# Altium PCB MODULE_CONTROL_V1.0.PcbDoc (part 2 of 2)
Units mm, origin at the board's own origin, x right, y up, seen from the top; angles counter-clockwise.
Board outline 87.3 x 95.5 mm, 4 copper layers (Top Layer, Int1 (GND), Int2 (PWR), Bottom Layer), stack 1.369 mm thick; 182 components, 136 nets, 622 pads, 199 vias.
Unrouted connection lines stored in the file: 5.
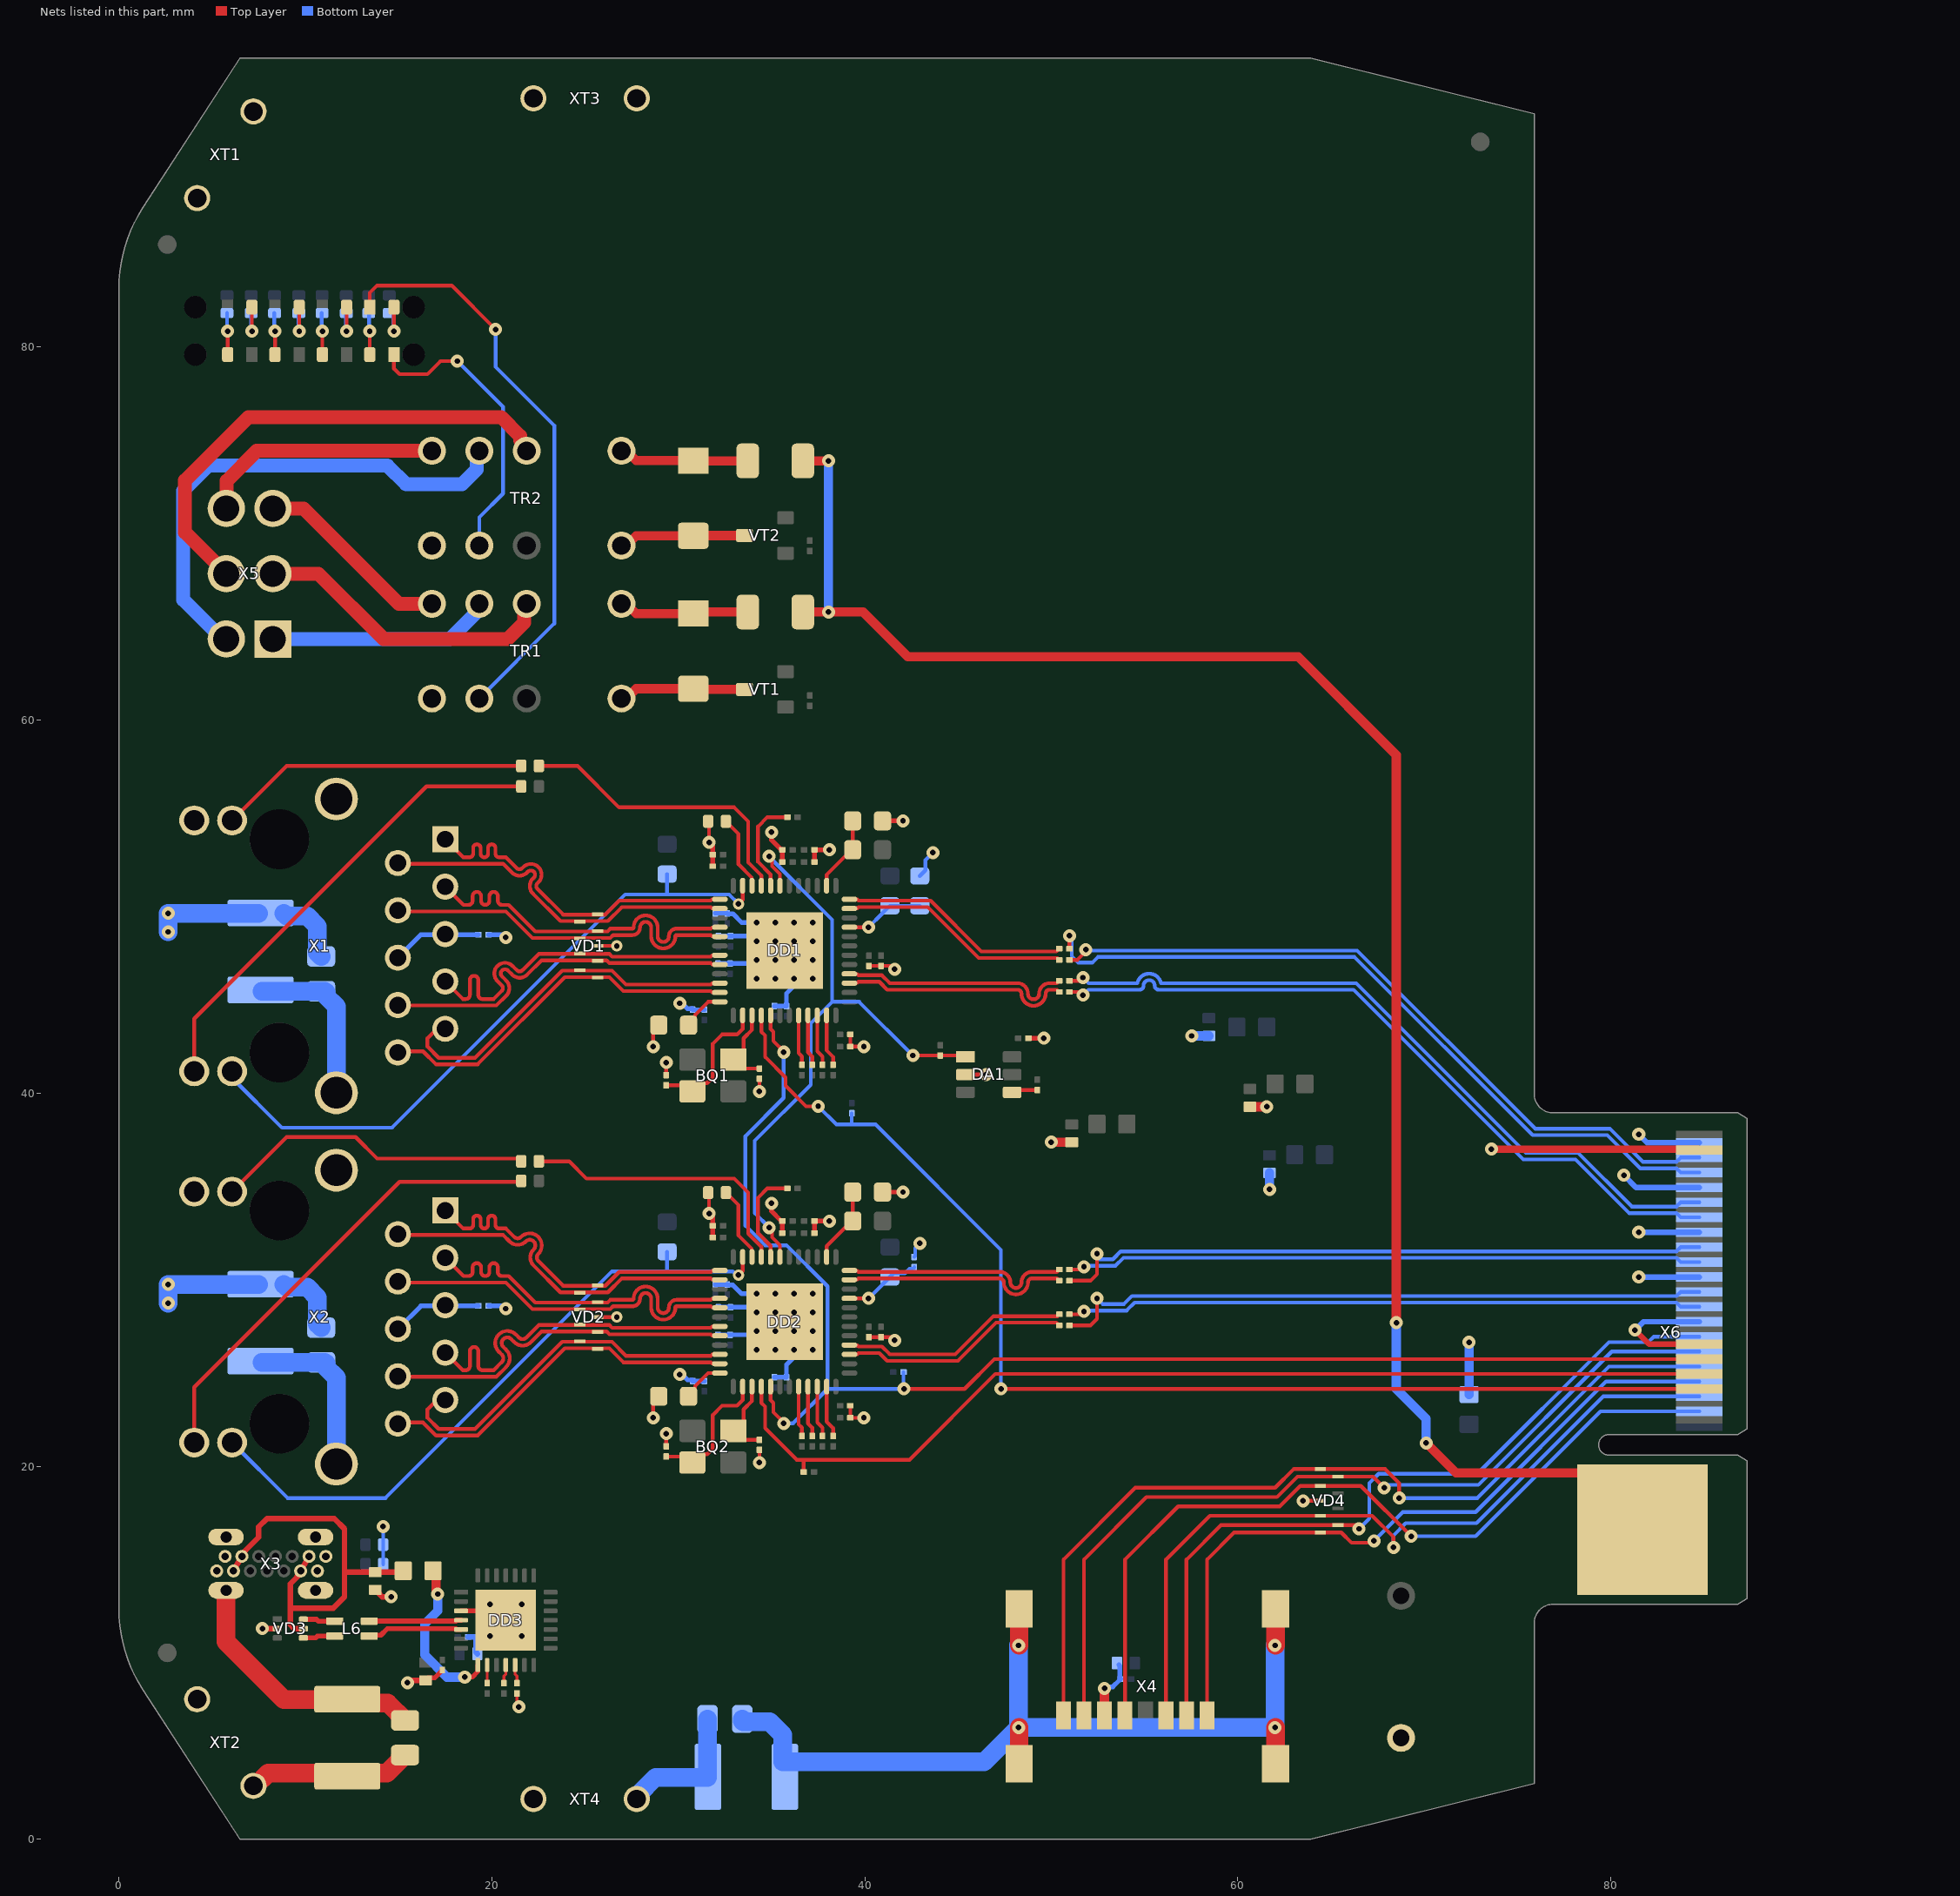
[diagram p4: the nets of this part, all layers, seen from the top]

## Via types
v1: diameter 0.7, hole 0.3, Top Layer to Bottom Layer, tented both sides, 152 vias
v2: diameter 0.6, hole 0.3, Top Layer to Bottom Layer, tented bottom, 32 vias
v3: diameter 0.6, hole 0.3, Top Layer to Bottom Layer, tented both sides, 11 vias
v4: diameter 0.7, hole 0.3, Top Layer to Bottom Layer, tented bottom, 4 vias

## Nets (pads, with @x,y where several pads share a name; then routed paths per layer and width w, separated by ;. In a path a pad name is that pad's centre, name@x,y a point inside that pad or via, vN(x,y) a via of type N, cw(c..) or ccw(c..) an arc to the next point about the centre after c; other vN are vias at no path point) (continued)
GND: C1.2 C10.1 C11.1 C12.1 C13.1 C14.1 C15.1 C16.1 C17.1 C18.2 C19.2 C20.2 C21.2 C22.2 C23.2 C24.2 C25.2 C26.2 C27.2 C28.2 C29.2 C30.2 C31.2 C32.2 C33.2 C34.2 C35.2 C36.2 C37.2 C38.2 C39.2 C40.2 C41.2 C42.2 C43.2 C44.2 C45.2 C46.2 C47.2 C48.2 C49.2 C50.2 C51.2 C52.2 C53.2 C54.2 C55.2 C56.2 C57.2 C58.1 C59.1 C62.1 C63.2 C65.1 C66.1 C67.2 C69.1 C70.2 DA1.2 DD1.EP DD2.EP DD3.3 DD3.EP R1.2 R2.2 R17.1 R18.2 R20.2 R21.2 R26.2 R27.2 R36.2 R37.2 R40.2 SW1.1 TR1.8 TR2.8 VD1.3 VD2.3 VD3.2 VD4.3 X1.12 X2.12 X3.A1 X3.A12 X3.B1 X3.B12 X4.6 X6.11 X6.16 X6.22 X6.28 X6.34 X6.40 | length 93.7
  Top Layer w0.15: v1@21.35,7.25 R40.2@21.35,7.825
  Top Layer w0.2: VD2.3@25.675,28 v3(26.7,28) ; VD1.3@25.675,47.9 v3(26.7,47.9) ; v1(28.65,22.6) 28.65,23.45 R21.2@28.95,23.75 ; v1(28.65,42.5) 28.65,43.35 R20.2@28.95,43.65 ; C13.1@29.35,21.075 v1(29.35,21.75) ; C11.1@29.35,40.975 v1(29.35,41.65) ; v1(31.65,33.55) R27.2@31.65,34.625 ; v1(31.65,53.45) R26.2@31.65,54.525 ; v1(34.35,20.2) C12.1@34.35,20.875 ; v1(34.35,40.1) C10.1@34.35,40.775 ; C49.2@39.225,23.25 C41.2@39.225,22.6 v1(39.95,22.6) ; C45.2@39.225,43.15 C37.2@39.225,42.5 v1(39.95,42.5) ; C46.2@40.22,26.925 C38.2@40.87,26.925 41.425,26.925 v1(41.6,26.75) ; C42.2@40.22,46.825 41.425,46.825 v1(41.6,46.65) ; v1(63.5,18.15) VD4.3@64.425,18.15
  Top Layer w0.25: C62.1@16.45,8.525 16.584,8.659 16.934,8.659 17.3,9.025 17.325,9.025 17.35,9.05 C63.2@17.35,9.075 ; DD3.3@18.35,12.25 DD3.EP@20.25,12.25 ; C48.2@31.85,32.27 C40.2@31.85,32.895 v1@31.85,33.55 ; C44.2@31.85,52.17 C36.2@31.85,52.795 v1@31.85,53.45 ; v1@35,34.05 35,33.675 35.5,33.175 35.55,33.175 C53.2@35.575,33.15 C57.2@35.575,32.5 ; v1@35,53.95 35,53.575 35.5,53.075 35.55,53.075 C51.2@35.575,53.05 C55.2@35.575,52.4 ; C56.2@37.3,32.5 C52.2@37.3,33.15 v1(38.1,33.15) ; C54.2@37.3,52.4 C50.2@37.3,53.05 v1@38.1,53.05 ; R2.2@40.95,34.7 v1(42.05,34.7) ; R1.2@40.95,54.6 v1(42.05,54.6) ; DA1.2@45.4,41 v1(46.5,41) ; C1.2@48.775,42.95 v1(49.6,42.95)
  Top Layer w0.3: v1(7.7,11.3) VD3.2@8.5,11.3 ; C66.1@13.75,13.375 13.82,13.375 13.945,13.25 13.945,13.18 14.125,13 v1(14.6,13) ; v1@15.475,8.525 C62.1@16.45,8.525 ; v1(81.3,27.3) 82.05,26.55 X6.11@84.75,26.55
  Top Layer w0.5: v1(50,37.375) C16.1@51.1,37.375 ; X4.6@52.85,6.65 v1(52.85,8.1) ; C15.1@60.65,39.275 v1(61.55,39.275)
  Bottom Layer w0.2: R37.2@14.175,14.75 R36.2@14.175,15.8 v1(14.175,16.775) ; R18.2@42.65,31.225 42.7,31.275 42.7,31.7 v1@42.95,31.95 ; R17.1@42.95,51.65 43.25,51.95 43.25,52.5 v1(43.65,52.9)
  Bottom Layer w0.25: C59.1@19.825,28.6 20.6,28.6 v1(20.75,28.45) ; C58.1@19.825,48.5 20.6,48.5 v1(20.75,48.35) ; v1@30.25,25 30.25,24.875 30.5,24.625 30.745,24.625 30.77,24.6 C24.2@30.77,24.575 C32.2@31.395,24.575 ; v1@30.25,44.9 30.25,44.775 30.5,44.525 30.745,44.525 30.77,44.5 C20.2@30.77,44.475 C28.2@31.395,44.475 ; C31.2@31.975,29.75 C23.2@32.625,29.75 32.625,29.744 32.65,29.719 32.931,29.719 33.4,29.25 v2(34.2,29.25) ; C27.2@31.975,49.65 C19.2@32.625,49.65 32.625,49.644 32.65,49.619 32.931,49.619 33.4,49.15 v2(34.2,49.15) ; C47.2@32.125,27.05 33.905,27.05 34.105,27.25 v2(34.2,27.25) ; C43.2@32.125,46.95 C35.2@32.775,46.95 33.905,46.95 34.105,47.15 v2(34.2,47.15) ; C33.2@32.15,28.525 C25.2@32.8,28.525 33.879,28.525 34.154,28.25 v2(34.2,28.25) ; C29.2@32.15,48.425 C21.2@32.8,48.425 33.879,48.425 34.154,48.15 v2(34.2,48.15) ; C22.2@35.15,24.775 C30.2@35.8,24.775 35.8,25.45 36.173,25.823 36.173,26.223 v2(36.2,26.25) ; C18.2@35.15,44.675 C26.2@35.8,44.675 35.8,45.35 36.173,45.723 36.173,46.123 v2(36.2,46.15) ; v1@52.925,8.175 53.3,8.175 53.675,8.55 53.675,8.575 C70.2@53.7,8.6 ; C69.1@53.622,9.353 53.675,9.3 53.675,8.625 C70.2@53.7,8.6 ; C70.2@53.725,8.6 C70.2@53.7,8.6
  Bottom Layer w0.3: C67.2@18.725,10.85 19.15,10.85 ; C65.1@19.225,9.95 19.15,10.025 19.15,10.85 ; v4@19.85,10.85 19.15,10.85 ; v1(80.7,35.6) 81.35,34.95 X6.34@84.75,34.95 ; v1(81.3,27.3) 81.75,27.75 X6.16@84.75,27.75 ; v1(81.5,30.15) X6.22@84.75,30.15 ; v1(81.5,32.55) X6.28@84.75,32.55 ; v1(81.5,37.8) 81.95,37.35 X6.40@84.75,37.35
  Bottom Layer w0.5: v1(57.525,43.075) C14.1@58.45,43.075 ; v1(61.7,34.85) C17.1@61.7,35.725
  other v1: 21.45,7.1 15.475,8.4 30.075,24.925 42.95,31.959 35,34.1 30.075,44.825 38.1,53.05 35,54
  other v2: 34.2,26.25 35.2,26.25 37.2,26.25 35.2,27.25 36.2,27.25 37.2,27.25 35.2,28.25 36.2,28.25 37.2,28.25 35.2,29.25 36.2,29.25 37.2,29.25 34.2,46.15 35.2,46.15 37.2,46.15 35.2,47.15 36.2,47.15 37.2,47.15 35.2,48.15 36.2,48.15 37.2,48.15 35.2,49.15 36.2,49.15 37.2,49.15
  other v4: 19.9,10.9 21.6,10.9 19.9,12.6 21.6,12.6
LED_RELE1: HL7.C TR1.9 | length 31.4
  Top Layer w0.2: HL7.C@13.455,82.14 13.455,82.905 13.85,83.3 17.85,83.3 v1(20.2,80.95)
  Bottom Layer w0.2: TR1.9@19.33,61.16 23.35,65.18 23.35,75.8 20.2,78.95 v1(20.2,80.95)
LED_RELE2: HL8.C TR2.9 | length 16
  Top Layer w0.2: HL8.C@14.755,79.6 14.755,78.845 15.05,78.55 16.55,78.55 17.25,79.25 v1(18.15,79.25)
  Bottom Layer w0.2: v1(18.15,79.25) 20.6,76.8 20.6,72.15 19.33,70.88 TR2.9@19.33,69.36
MDC_SGMII0: DD1.16 R23.2 X6.5 | length 65
  Top Layer w0.2: DD1.16@34.45,44.175 34.45,43.3 34.65,43.1 34.65,41.95 35.75,40.85 35.75,40.4 36.85,39.3 v1(37.5,39.3) ; v1(47.3,24.15) X6.5@84.75,24.15
  Bottom Layer w0.2: v1(37.5,39.3) 38.475,38.325 40.575,38.325 47.3,31.6 v1(47.3,24.15) ; 39.3,38.325 R23.2@39.3,38.925
MDC_SGMII1: DD2.16 R24.2 X6.7 | length 55.6
  Top Layer w0.2: DD2.16@34.45,24.275 34.45,23.4 34.65,23.2 34.65,22.05 36.35,20.35 42.4,20.35 47,24.95 X6.7@84.75,24.95 ; R24.2@36.725,19.7 36.725,20.325
MDIO_SGMII: DD1.17 DD2.17 R25.2 X6.9 | length 77.3
  Top Layer w0.2: DD2.17@34.95,24.275 34.95,23.55 35.1,23.4 35.1,22.9 v1@35.675,22.325 ; DD1.17@34.95,44.175 34.95,43.45 35.1,43.3 35.1,42.8 v1@35.675,42.225 ; v1(42.1,24.15) 45.35,24.15 46.95,25.75 X6.9@84.75,25.75
  Bottom Layer w0.2: v1(35.65,22.3) 35.66,22.31 36.16,22.31 38,24.15 ; v1(35.65,42.2) 35.65,39.75 33.6,37.7 33.6,32.9 34.65,31.85 35.8,31.85 38,29.65 38,24.15 ; v1@42.075,24.175 R25.2@42.075,25.05 ; v1(42.1,24.15) 38,24.15
MMC_CLK: VD4.2 X4.5 X6.4 | length 44.7
  Top Layer w0.2: X4.5@53.95,6.65 53.95,15 56.8,17.85 62.25,17.85 63.35,18.95 VD4.2@64.425,18.95 66.6,18.95 v1(69.3,16.25)
  Bottom Layer w0.2: v1(69.3,16.25) 72.75,16.25 79.45,22.95 X6.4@84.75,22.95
MMC_CMD: VD4.4 X4.3 X6.6 | length 42.7
  Top Layer w0.2: X4.3@56.15,6.65 56.15,15 58.5,17.35 VD4.4@64.425,17.35 67.2,17.35 68.35,16.2 v1(68.35,15.65)
  Bottom Layer w0.2: v1(68.35,15.65) 68.35,16.3 69,16.95 72.8,16.95 79.6,23.75 X6.6@84.75,23.75
MMC_DAT0: VD4.9 X4.7 X6.12 | length 46.5
  Top Layer w0.2: X4.7@51.75,6.65 51.75,15 55.1,18.35 62.1,18.35 63.2,19.45 VD4.9@65.375,19.45 67.25,19.45 v1(67.85,18.85)
  Bottom Layer w0.2: v1(67.85,18.85) 68,19 72.9,19 80.05,26.15 X6.12@84.75,26.15
MMC_DAT1: VD4.1 X4.8 X6.10 | length 48.5
  Top Layer w0.2: X4.8@50.65,6.65 50.65,15 54.5,18.85 62,18.85 63,19.85 VD4.1@64.425,19.85 67.9,19.85 68.65,19.1 v1(68.65,18.3)
  Bottom Layer w0.2: v1(68.65,18.3) 72.85,18.3 79.9,25.35 X6.10@84.75,25.35
MMC_DAT2: VD4.5 X4.1 X6.8 | length 39
  Top Layer w0.2: X4.1@58.35,6.65 58.35,15 59.8,16.45 VD4.5@64.425,16.45 65.55,16.45 66.1,15.9 v1@67.15,15.9
  Bottom Layer w0.2: v1(67.3,16) 68.85,17.55 72.75,17.55 79.75,24.55 X6.8@84.75,24.55
MMC_DAT3: VD4.6 X4.2 X6.14 | length 42.1
  Top Layer w0.2: X4.2@57.25,6.65 57.25,15 59.1,16.85 VD4.6@65.375,16.85 66.3,16.85 v1(66.5,16.65)
  Bottom Layer w0.2: v1(66.5,16.65) 67.05,17.2 67.05,19.1 67.55,19.6 72.85,19.6 79.9,26.65 82,26.65 82.3,26.95 X6.14@84.75,26.95
NetBQ1_1: BQ1.1 C10.2 DD1.15 | length 3.8
  Top Layer w0.2: BQ1.1@32.95,41.8 33.15,41.8 33.5,42.15 33.5,42.95 33.95,43.4 DD1.15@33.95,44.175 ; BQ1.1@33.425,41.325 C10.2@34.35,41.325
NetBQ1_3: BQ1.3 C11.2 DD1.14 | length 6.9
  Top Layer w0.2: C11.2@29.35,40.425 BQ1.3@30.425,40.425 ; BQ1.3@30.75,40.1 31.193,40.543 31.543,40.543 31.85,40.85 31.85,42.65 32.35,43.15 33.15,43.15 33.45,43.45 DD1.14@33.45,44.175
NetBQ2_1: BQ2.1 C12.2 DD2.15 | length 3.8
  Top Layer w0.2: BQ2.1@32.95,21.9 33.15,21.9 33.5,22.25 33.5,23.05 33.95,23.5 DD2.15@33.95,24.275 ; BQ2.1@33.425,21.425 C12.2@34.35,21.425
NetBQ2_3: BQ2.3 C13.2 DD2.14 | length 6.9
  Top Layer w0.2: C13.2@29.35,20.525 BQ2.3@30.425,20.525 ; BQ2.3@30.75,20.2 31.193,20.643 31.543,20.643 31.85,20.95 31.85,22.75 32.35,23.25 33.15,23.25 33.45,23.55 DD2.14@33.45,24.275
NetC58_2: C58.2 X1.5 X1.6 | length 4.8
  Bottom Layer w0.25: X1.6@14.963,47.265 16.197,48.5 C58.2@19.275,48.5
NetC59_2: C59.2 X2.5 X2.6 | length 4.8
  Bottom Layer w0.25: X2.6@14.963,27.365 16.197,28.6 C59.2@19.275,28.6
NetC60_1: C60.1 R34.1 X1.SH | length 9.1
  Bottom Layer w1: C60.1@7.67,45.47 R34.1@10.85,45.47 11.05,45.47 11.1,45.42 11.1,45.22 11.663,44.657 X1.SH@11.663,40.025
NetC61_1: C61.1 R35.1 X2.SH | length 9.1
  Bottom Layer w1: C61.1@7.67,25.57 R35.1@10.85,25.57 11.05,25.57 11.1,25.52 11.1,25.32 11.663,24.757 X2.SH@11.663,20.125
NetC64_1: C64.1 R38.1 X3.SH | length 13.9
  Top Layer w1: X3.SH@5.75,13.18 5.75,10.6 8.85,7.5 12.9,7.5 13.1,7.3 14.43,7.3 R38.1@15.35,6.38
NetC68_1: C68.1 R42.1 X4.0 | length 47.8
  Top Layer w1: X4.0@48.275,4.05 v1@48.275,6 ; v1@48.275,10.4 X4.0@48.275,12.35 ; X4.0@62.025,4.05 v1@62.025,6 ; v1@62.025,10.4 X4.0@62.025,12.35
  Bottom Layer w1: R42.1@33.43,6.45 33.43,6.35 33.48,6.3 34.9,6.3 35.6,5.6 35.6,4.15 46.4,4.15 v1(48.25,6) ; v1(48.25,10.4) v1(48.25,6) ; v1(62,10.4) v1(62,6) v1(48.25,6)
NetDA1_4: DA1.4 R6.2 | length 1.2
  Top Layer w0.2: DA1.4@48.025,40.175 R6.2@49.25,40.175
NetDD1_12: DD1.12 R20.1 | length 2.3
  Top Layer w0.2: R20.1@30.55,43.65 30.9,44 30.9,44.2 31.6,44.9 DD1.12@32.225,44.9
NetDD1_20: DD1.20 R7.1 | length 2.7
  Top Layer w0.2: DD1.20@36.45,44.175 36.45,42.15 36.63,41.97 R7.1@36.63,41.525
NetDD1_21: DD1.21 R9.1 | length 2.7
  Top Layer w0.2: DD1.21@36.95,44.175 36.95,42.2 37.18,41.97 R9.1@37.18,41.525
NetDD1_22: DD1.22 R11.1 | length 2.8
  Top Layer w0.2: DD1.22@37.45,44.175 37.45,42.25 37.73,41.97 R11.1@37.73,41.525
NetDD1_23: DD1.23 R15.1 | length 2.8
  Top Layer w0.2: DD1.23@37.95,44.175 37.95,42.3 38.3,41.95 R15.1@38.3,41.525
NetDD1_33: DD1.33 R13.2 R17.2 | length 4.3
  Top Layer w0.2: DD1.33@39.175,48.9 v1(40.2,48.9)
  Bottom Layer w0.2: v1(40.2,48.9) 40.94,49.64 40.94,49.645 41.345,50.05 R13.2@41.35,50.05 R17.2@42.95,50.05
NetDD1_38: DD1.38 R1.1 R3.1 | length 4.1
  Top Layer w0.2: DD1.38@37.95,51.125 37.95,51.7 39.35,53.1 R1.1@39.35,54.6
NetDD1_44: DD1.44 R19.2 | length 5.2
  Top Layer w0.2: DD1.44@34.95,51.125 34.95,51.725 34.275,52.4 34.275,54.3 34.775,54.8 R19.2@35.85,54.8
NetDD1_46: DD1.46 R26.1 | length 4
  Top Layer w0.2: R26.1@32.55,54.575 33.225,53.9 33.225,52.275 33.935,51.565 33.935,51.14 DD1.46@33.95,51.125
NetDD2_12: DD2.12 R21.1 | length 2.3
  Top Layer w0.2: R21.1@30.55,23.75 30.9,24.1 30.9,24.3 31.6,25 DD2.12@32.225,25
NetDD2_20: DD2.20 R8.2 | length 2.7
  Top Layer w0.2: DD2.20@36.45,24.275 36.45,22.25 36.63,22.07 R8.2@36.63,21.625
NetDD2_21: DD2.21 R10.2 | length 2.7
  Top Layer w0.2: DD2.21@36.95,24.275 36.95,22.3 37.18,22.07 R10.2@37.18,21.625
NetDD2_22: DD2.22 R12.2 | length 2.8
  Top Layer w0.2: DD2.22@37.45,24.275 37.45,22.35 37.73,22.07 R12.2@37.73,21.625
NetDD2_23: DD2.23 R16.2 | length 2.8
  Top Layer w0.2: DD2.23@37.95,24.275 37.95,22.4 38.3,22.05 R16.2@38.3,21.625
NetDD2_33: DD2.33 R14.2 R18.1 | length 4.2
  Top Layer w0.2: DD2.33@39.175,29 v1(40.2,29)
  Bottom Layer w0.2: v1(40.2,29) 40.94,29.74 40.94,29.745 41.545,30.35 42.15,30.35 42.4,30.6 42.6,30.6 42.65,30.65 R18.1@42.65,30.675
NetDD2_38: DD2.38 R2.1 R4.1 | length 4.1
  Top Layer w0.2: DD2.38@37.95,31.225 37.95,31.8 39.35,33.2 R2.1@39.35,34.7
NetDD2_44: DD2.44 R22.1 | length 5.2
  Top Layer w0.2: DD2.44@34.95,31.225 34.95,31.825 34.275,32.5 34.275,34.4 34.775,34.9 R22.1@35.85,34.9
NetDD2_46: DD2.46 R27.1 | length 4
  Top Layer w0.2: R27.1@32.55,34.675 33.225,34 33.225,32.375 33.935,31.665 33.935,31.24 DD2.46@33.95,31.225
NetDD3_9: DD3.9 R39.1 | length 1
  Top Layer w0.15: R39.1@19.75,8.375 DD3.9@19.75,9.35
NetDD3_11: DD3.11 R41.1 | length 1
  Top Layer w0.15: R41.1@20.65,8.375 20.65,8.75 20.75,8.85 DD3.11@20.75,9.35
NetDD3_12: DD3.12 R40.1 | length 1
  Top Layer w0.15: DD3.12@21.25,9.35 21.25,8.85 21.35,8.75 R40.1@21.35,8.375
NetHL1_A: HL1.A R47.2 | length 2.2
  Top Layer w0.2: v1(7.135,80.85) HL1.A@7.135,82.14
  Bottom Layer w0.2: v1@7.1,80.885 R47.2@7.1,81.825
NetHL2_A: HL2.A R48.2 | length 2
  Top Layer w0.2: HL2.A@5.835,79.6 v1@5.835,80.695
  Bottom Layer w0.2: v1@5.8,80.885 R48.2@5.8,81.825
  other v1: 5.835,80.85
NetHL3_A: HL3.A R49.2 | length 2.2
  Top Layer w0.2: v1(9.675,80.85) HL3.A@9.675,82.14
  Bottom Layer w0.2: v1@9.64,80.885 R49.2@9.64,81.825
NetHL4_A: HL4.A R50.2 | length 2
  Top Layer w0.2: HL4.A@8.375,79.6 v1@8.375,80.695
  Bottom Layer w0.2: v1@8.34,80.885 R50.2@8.34,81.825
  other v1: 8.375,80.85
NetHL5_A: HL5.A R51.2 | length 2.2
  Top Layer w0.2: v1(12.215,80.85) HL5.A@12.215,82.14
  Bottom Layer w0.2: v1@12.18,80.885 R51.2@12.18,81.825
NetHL6_A: HL6.A R52.2 | length 2
  Top Layer w0.2: HL6.A@10.915,79.6 v1@10.915,80.695
  Bottom Layer w0.2: v1@10.88,80.885 R52.2@10.88,81.825
  other v1: 10.915,80.85
NetHL7_A: HL7.A R53.2 | length 2.2
  Top Layer w0.2: v1(14.755,80.85) HL7.A@14.755,82.14
  Bottom Layer w0.2: v1@14.72,80.885 R53.2@14.72,81.825
NetHL8_A: HL8.A R54.2 | length 2
  Top Layer w0.2: HL8.A@13.455,79.6 v1@13.455,80.695
  Bottom Layer w0.2: v1@13.42,80.885 R54.2@13.42,81.825
  other v1: 13.455,80.85
NetL6_1: L6.1 VD3.6 | length 1.7
  Top Layer w0.265: VD3.6@9.9,11.8 10.6,11.8 10.7,11.7 L6.1@11.575,11.7
NetL6_4: L6.4 VD3.4 | length 1.7
  Top Layer w0.265: VD3.4@9.9,10.8 10.55,10.8 10.65,10.9 L6.4@11.575,10.9
NetL7_2: L7.2 X6.37 | length 13.9
  Top Layer w0.4: v1(73.6,37) X6.37@84.7,37
  Bottom Layer w0.5: L7.2@72.4,23.85 v1(72.4,26.65)
NetR28_2: R28.2 X1.11 | length 16.7
  Top Layer w0.2: X1.11@6.073,54.625 8.997,57.55 R28.2@21.575,57.55
NetR29_2: R29.2 X2.11 | length 17.2
  Top Layer w0.2: X2.11@6.073,34.725 8.997,37.65 12.7,37.65 13.85,36.5 R29.2@21.55,36.5
NetR30_2: R30.2 X1.14 | length 25.5
  Top Layer w0.2: X1.14@4.043,41.175 4.043,43.993 16.5,56.45 R30.2@21.575,56.45
NetR31_2: R31.2 X2.14 | length 25.1
  Top Layer w0.2: X2.14@4.043,21.275 4.043,24.243 15.05,35.25 R31.2@21.575,35.25
NetR45_2: R45.2 TR1.1 VD5.C | length 6.9
  Top Layer w0.5: TR1.1@26.95,66.24 27.218,66.24 27.743,65.715 VD5.C@30.8,65.715 ; VD5.C@30.885,65.8 R45.2@33.72,65.8
NetR46_2: R46.2 TR2.1 VD6.C | length 7
  Top Layer w0.5: TR2.1@26.95,74.44 27.218,74.44 27.743,73.915 VD6.C@30.8,73.915 ; VD6.C@30.815,73.9 R46.2@33.72,73.9
NetTR1_12: TR1.12 VD5.A VT1.3 | length 6.8
  Top Layer w0.5: TR1.12@26.95,61.16 27.218,61.16 27.743,61.685 VD5.A@30.8,61.685 ; VD5.A@30.835,61.65 VT1.3@33.55,61.65
NetTR2_12: TR2.12 VD6.A VT2.3 | length 6.8
  Top Layer w0.5: TR2.12@26.95,69.36 27.218,69.36 27.743,69.885 VD6.A@30.8,69.885 ; VD6.A@30.815,69.9 VT2.3@33.55,69.9
P0_SGMII_RX_N: C5.2 DD1.36 | length 12.5
  Top Layer w0.199: DD1.36@39.175,50.4 39.191,50.384 39.596,50.384 39.656,50.324 43.526,50.324 46.25,47.6 50.275,47.6 C5.2@50.425,47.75
P0_SGMII_RX_P: C4.2 DD1.35 | length 12.5
  Top Layer w0.199: DD1.35@39.175,49.9 39.191,49.915 39.596,49.915 39.656,49.976 43.382,49.976 46.106,47.252 50.323,47.252 C4.2@50.425,47.15
P0_SGMII_TX_N: C2.2 DD1.28 | length 12.5
  Top Layer w0.199: DD1.28@39.175,46.4 39.191,46.384 39.596,46.384 39.656,46.324 40.918,46.324 41.342,45.9 48.184,45.9 cw(c48.184,45.336) 48.747,45.336 ccw(c49.047,45.336) 49.047,45.037 ccw(c49.047,45.336) 49.346,45.336 cw(c49.91,45.336) 49.91,45.9 50.295,45.9 C2.2@50.425,46.03
P0_SGMII_TX_P: C3.2 DD1.27 | length 12.5
  Top Layer w0.199: DD1.27@39.175,45.9 39.191,45.915 39.596,45.915 39.656,45.976 40.774,45.976 41.198,45.552 48.184,45.552 cw(c48.184,45.336) 48.399,45.336 ccw(c49.047,45.336) 49.047,44.689 ccw(c49.047,45.336) 49.694,45.336 cw(c49.91,45.336) 49.91,45.552 50.303,45.552 C3.2@50.425,45.43
P1_SGMII_RX_N: C9.2 DD2.36 | length 12.3
  Top Layer w0.199: DD2.36@39.175,30.5 39.19,30.485 39.596,30.485 39.656,30.424 47.24,30.424 cw(c47.24,29.86) 47.804,29.86 ccw(c48.103,29.86) 48.103,29.561 ccw(c48.103,29.86) 48.403,29.86 cw(c48.966,29.86) 48.966,30.424 50.299,30.424 C9.2@50.425,30.55
P1_SGMII_RX_P: C8.2 DD2.35 | length 12.3
  Top Layer w0.199: DD2.35@39.175,30 39.19,30.015 39.596,30.015 39.656,30.076 47.24,30.076 cw(c47.24,29.86) 47.456,29.86 ccw(c48.103,29.86) 48.103,29.213 ccw(c48.103,29.86) 48.751,29.86 cw(c48.966,29.86) 48.966,30.076 50.299,30.076 C8.2@50.425,29.95
P1_SGMII_TX_N: C6.2 DD2.28 | length 12.3
  Top Layer w0.199: DD2.28@39.175,26.5 39.19,26.485 39.596,26.485 39.656,26.424 40.918,26.424 41.342,26 44.85,26 46.898,28.048 50.323,28.048 C6.2@50.425,28.15
P1_SGMII_TX_P: C7.2 DD2.27 | length 12.4
  Top Layer w0.199: DD2.27@39.175,26 39.19,26.015 39.596,26.015 39.656,26.076 40.774,26.076 41.198,25.652 44.994,25.652 47.042,27.7 50.275,27.7 C7.2@50.425,27.55
PHY0_LED_G: DD1.45 R28.1 | length 16.2
  Top Layer w0.2: R28.1@22.525,57.55 24.6,57.55 26.825,55.325 33,55.325 33.75,54.575 33.75,52.375 34.45,51.675 DD1.45@34.45,51.125
PHY0_LED_Y: DD1.47 R32.2 X1.13 | length 36.3
  Top Layer w0.2: v3(33.225,50.15) 33.45,50.375 DD1.47@33.45,51.125
  Bottom Layer w0.2: X1.13@6.073,41.3 X1.13@6.073,41.175 6.073,40.827 8.75,38.15 14.65,38.15 27.15,50.65 29.4,50.65 ; R32.2@29.4,51.75 29.4,50.65 ; v3(33.225,50.15) 32.725,50.65 29.4,50.65